# Altium PCB RUMBA32.PcbDoc (part 3 of 3) (continued)
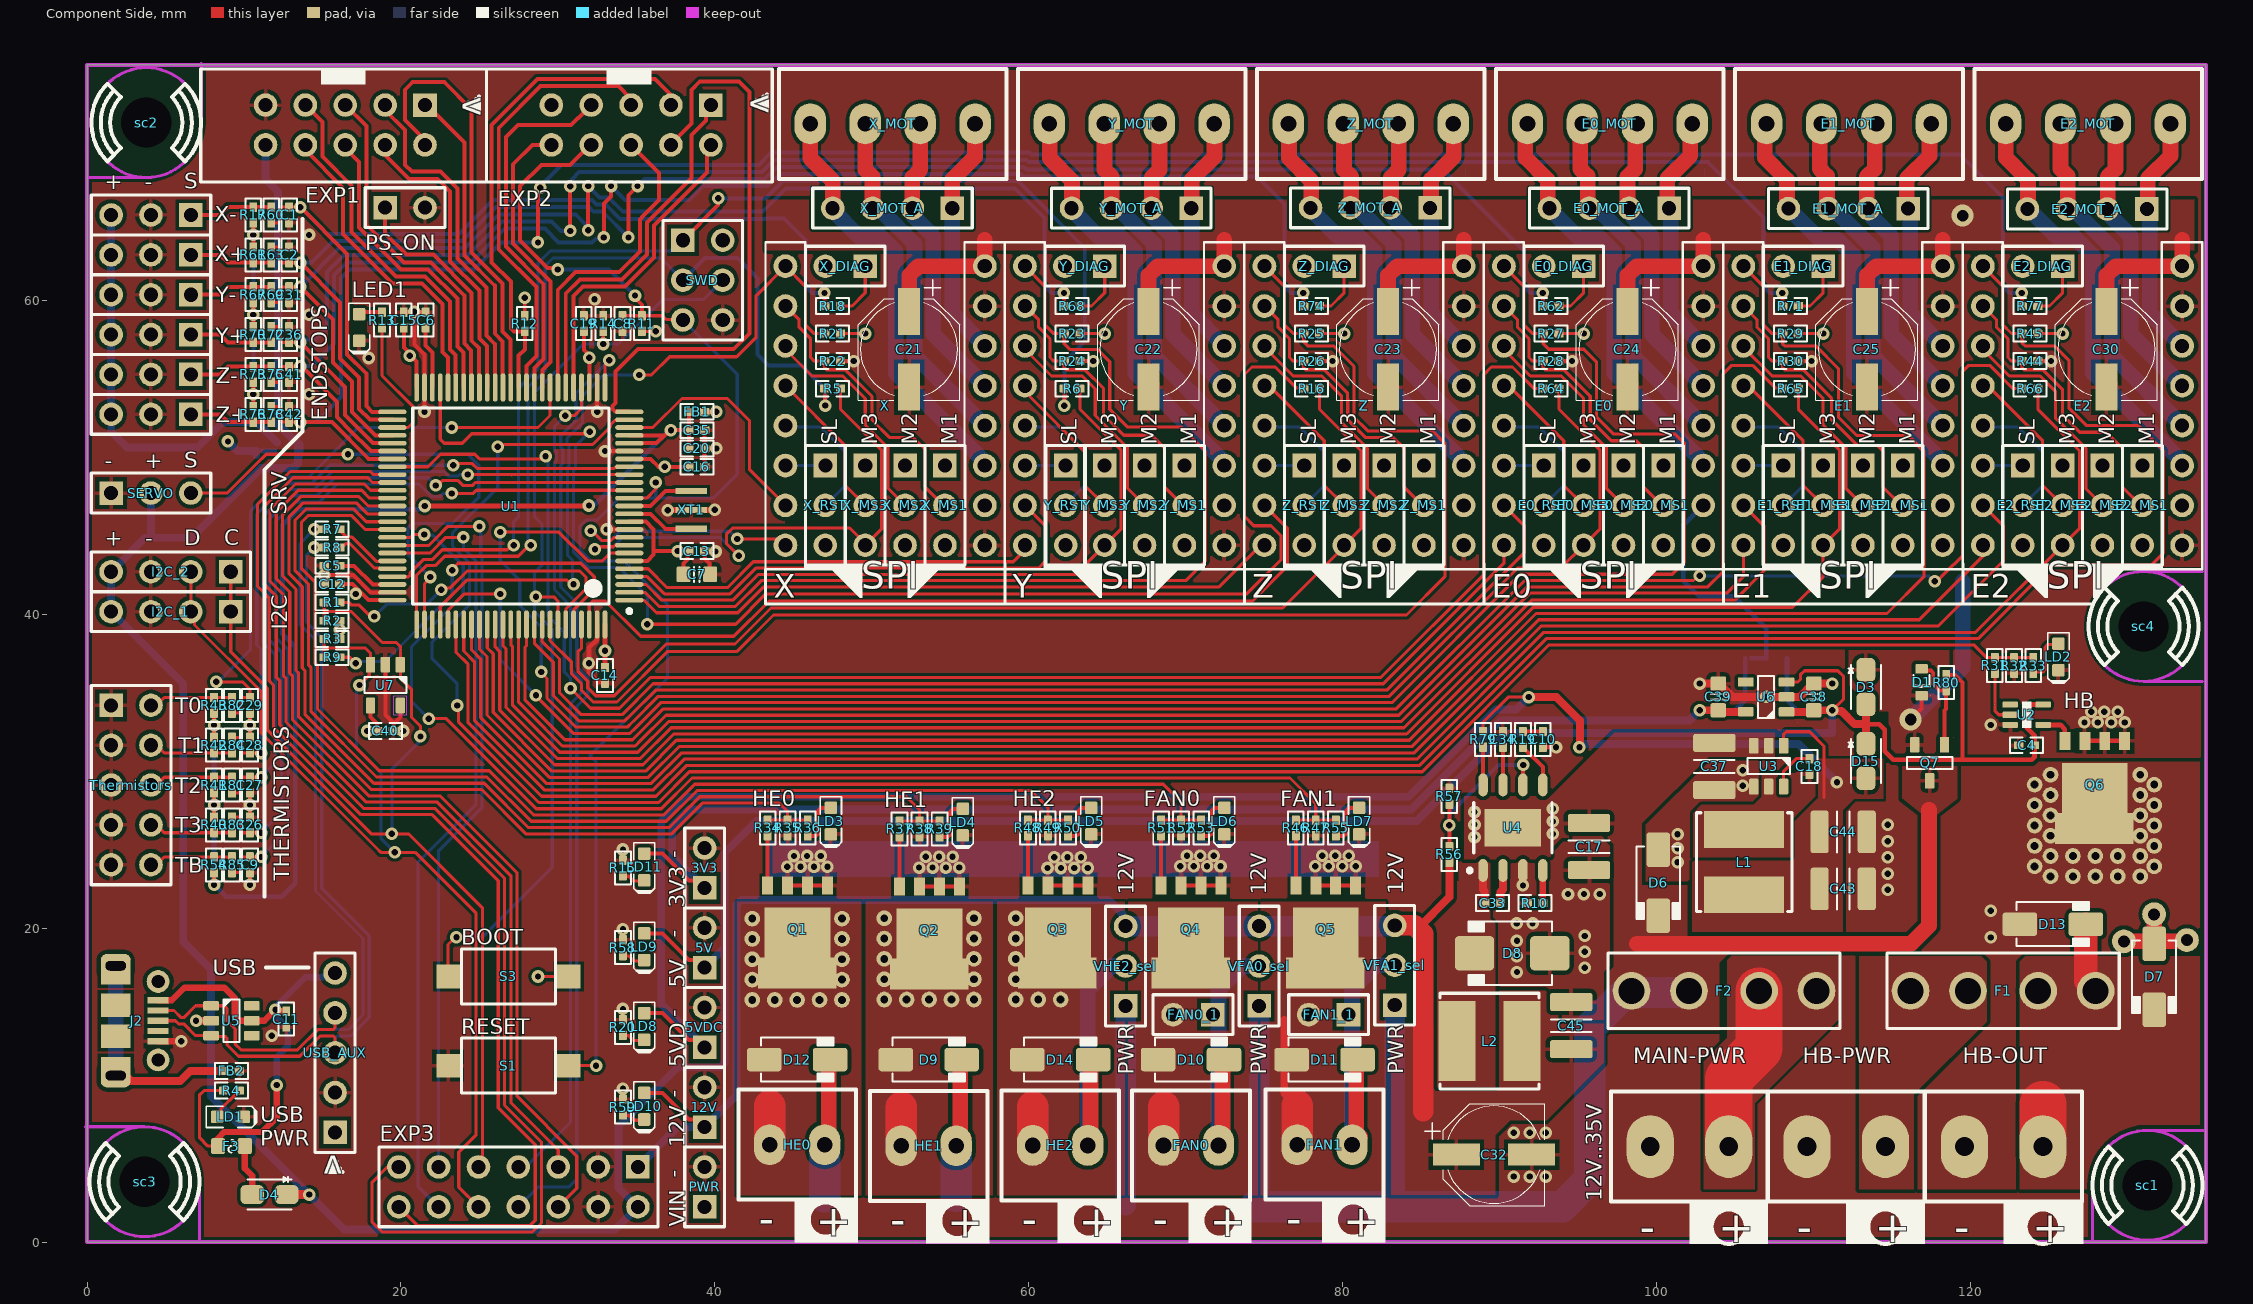
[diagram p0: Component Side view]
## Nets (pads, with @x,y where several pads share a name; then routed paths per layer and width w, separated by ;. In a path a pad name is that pad's centre, name@x,y a point inside that pad or via, vN(x,y) a via of type N, cw(c..) or ccw(c..) an arc to the next point about the centre after c; other vN are vias at no path point) (continued)
  Solder Side w0.254: v1(13.584,55.803) 14.294,55.803 15.74,57.248 15.74,61.615 16.545,62.42 24.458,62.42 26.613,64.576 29.165,64.576 30.046,63.695 32.185,63.695 32.413,63.924 32.836,63.924 v1(32.923,64.011) ; v1(33.384,67.281) 34.272,66.392 38.354,66.392 39.233,67.272 43.366,67.272 44.142,68.048 59.492,68.048 59.663,67.876 74.546,67.876 76.291,66.131 76.291,60.906 76.716,60.481 77.489,60.481 v1(77.497,60.473)
Z-S\L\P\: Z.6 Z_RST.1 | length 2.5
  Solder Side w0.2: Z.6@75.016,49.476 Z_RST.1@77.556,49.476
Z-STEP: U1.98 Z.7 | length 53.1
  Component Side w0.2: U1.98@31.999,39.346 31.999,40.63 32.214,40.845 33.019,40.845 35.268,38.596 41.209,38.596 43.459,40.846 74.26,40.846 76.471,43.056 76.471,45.481 Z.7@75.016,46.936
Z-TX: R16.2 U1.47 | length 89
  Component Side w0.2: U1.47@22.499,54.446 22.499,51.156 22.759,50.896 23.906,50.896 24.506,51.496 31.902,51.496 v1(32.026,51.62) ; v1(35.699,39.365) 41.319,39.365 43.25,41.296 73.892,41.296 76.071,43.475 76.071,45.007 75.436,45.642 74.336,45.642 73.746,46.232 73.746,55.276 74.224,55.755 75.707,55.755 77.039,54.423 77.476,54.423 R16.2@77.522,54.376
  Solder Side w0.2: v1(32.026,51.62) 31.112,50.706 31.112,49.276 30.999,49.163 30.999,43.941 31.974,42.966 33.906,42.966 34.976,41.896 35.699,41.173 v1(35.699,39.365)
pads on no net: C1.0 C2.0 C4.0 C5.0 C6.0 C7.0 C8.0 C9.0 C10.0 C11.0 C12.0 C13.0 C14.0 C15.0 C16.0 C17.0 C18.0 C19.0 C20.0 C26.0 C27.0 C28.0 C29.0 C31.0 C33.0 C34.0 C35.0 C36.0 C37.0 C38.0 C39.0 C40.0 C41.0 C42.0 C43.0 C44.0 C45.0 D1.0 D6.0 D7.0 D8.0 D9.0 D10.0 D11.0 D12.0 D13.0 D14.0 E0_DIAG.2 E1_DIAG.2 E2_DIAG.2 F3.0 FB1.0 FB2.0 J1.SM J2.4 J2.5 J2.6 J2.7 J2.ID J3.SM LD1.0 LD2.0 LD3.0 LD4.0 LD5.0 LD6.0 LD7.0 LD8.0 LD9.0 LD10.0 LD11.0 LED1.0 Q7.0 R1.0 R2.0 R3.0 R4.0 R5.0 R6.0 R7.0 R8.0 R9.0 R10.0 R11.0 R12.0 R13.0 R14.0 R15.0 R16.0 R17.0 R18.0 R19.0 R20.0 R21.0 R22.0 R23.0 R24.0 R25.0 R26.0 R27.0 R28.0 R29.0 R30.0 R31.0 R32.0 R33.0 R34.0 R35.0 R36.0 R37.0 R38.0 R39.0 R40.0 R41.0 R42.0 R43.0 R44.0 R45.0 R46.0 R47.0 R48.0 R49.0 R50.0 R51.0 R52.0 R53.0 R54.0 R55.0 R56.0 R57.0 R58.0 R59.0 R60.0 R61.0 R62.0 R63.0 R64.0 R65.0 R66.0 R67.0 R68.0 R69.0 R70.0 R71.0 R72.0 R73.0 R74.0 R75.0 R76.0 R77.0 R78.0 R79.0 R80.0 R81.0 R82.0 R83.0 R84.0 R85.0 sc1.0 sc2.0 sc3.0 sc4.0 U1.78 U2.0 U2.1 U3.0 U5.0 U5.4 U5.6 U6.0 U6.4 U7.0 X_DIAG.2 Y_DIAG.2 Z_DIAG.2
copper on no net: | length 0
  Component Side w0.2: 21.999,39.346 22.007,39.338

## Polygon pours and split planes (outlines as drawn)
VIN1 on Solder Side "VIN1_L04_P1146" (solid, pour order 1146): 103.732,13.896 103.732,17.896 97.232,17.896 93.732,14.396 93.732,3.896 93.232,3.396 37.732,3.396 37.732,0 96.732,0 96.732,12.396 98.232,13.896
VMOT on Solder Side "VMOT_L04_P1147" (solid, pour order 1147): 118.486,40.84 119.503,39.646 120.518,40.84 120.518,66.398 118.486,66.398
NetD11_A on Solder Side "NETD11_A_L04_P1154" (solid, remove dead copper, pour order 1154): 83.011,3.2 74.858,3.2 74.858,21.471 83.011,21.471
NetD10_A on Solder Side "NETD10_A_L04_P1159" (solid, remove dead copper, pour order 1159): 74.502,3.2 66.349,3.2 66.349,21.471 74.502,21.471
VIN1 on Solder Side "VIN1_L04_P1163" (solid, remove dead copper, pour order 1163): 86.8,23 86.8,30.9 94.4,30.9 94.4,23.358 94.042,23
NetD13_A on Solder Side "NETD13_A_L04_P1166" (solid, remove dead copper, pour order 1166): 135,30.481 135,0 117.6,0 117.6,25.403 122.678,30.481
NetD14_A on Solder Side "NETD14_A_L04_P1169" (solid, remove dead copper, pour order 1169): 66.171,3.2 58.017,3.2 58.017,21.471 66.171,21.471
NetD9_A on Solder Side "NETD9_A_L04_P1178" (solid, pour order 1178): 57.763,3.3 49.534,3.3 49.534,21.471 57.763,21.471
NetD12_A on Solder Side "NETD12_A_L04_P1191" (solid, pour order 1191): 49.331,3.1 41.431,3.1 41.431,21.445 49.331,21.445
GND on Solder Side "GND_L04_P1192" (solid, remove dead copper, pour order 1192): 0,75 135,75 135,0 0,0
VMOT on Component Side "VMOT_L01_P1148" (solid, pour order 1148): 118.639,31.043 118.639,37.742 112.245,37.742 112.245,35.507 113.942,33.809 114.779,33.809 114.779,31.043
VMOT on Component Side "VMOT_L01_P1149" (solid, pour order 1149): 43.274,66.396 43.274,63.203 134.274,63.203 134.274,66.396
NetC18_1 on Component Side "NETC18_1_L01_P1150" (solid, pour order 1150): 102.849,27.861 106.188,27.861 106.704,28.377 106.704,29.867 107.567,29.867 108.837,29.867 109.236,30.266 110.115,30.266 110.115,28.404 108.594,26.883 108.594,24.508 102.323,24.508 102.323,27.335
5V_DCDC on Component Side "5V_DCDC_L01_P1151" (solid, remove dead copper, pour order 1151): 102.281,19.776 111.872,19.776 111.872,27.513 112.601,28.242 114.445,28.242 114.445,30.782 102.281,30.782
VIN1 on Component Side "VIN1_L01_P1152" (solid, pour order 1152): 115.647,30.956 119.147,30.956 119.147,28.257 117.397,26.883 115.647,28.261
VIN2 on Component Side "VIN2_L01_P1153" (solid, remove dead copper, pour order 1153): 123.15,17.85 123.15,3.374 129.048,3.374 129,4 130.89,7.112 130.89,7.239 132.668,7.239 134.065,5.842 134.192,5.715 135,5.715 135,18.2 123.5,18.2
NetF1_0 on Component Side "NETF1_0_L01_P1155" (solid, pour order 1155): 112.9,3.374 112.9,18.2 120.7,18.2 121.026,17.874 121.026,14.026 116.4,9.4 116.4,3.374
VIN1 on Component Side "VIN1_L01_P1156" (solid, pour order 1156): 87.732,24.396 87.732,28.396 93.25,28.396 97.29,32.436 107.546,32.436 107.546,30.932 105.521,30.932 103.313,30.932 99.06,26.678 99.06,22.74 101.952,22.74 101.952,18.7 104.9,18.7 104,17.8 104,13.5 96.9,13.5 96.9,17.15 97.277,17.527 97.277,25.346 96.874,25.75 93.95,25.75 93.25,25.05 93.25,24.396
NetC33_2 on Component Side "NETC33_2_L01_P1157" (solid, remove dead copper, pour order 1157): 85.785,9.852 89.715,9.852 89.715,20.285 89.4,20.6 89.4,24.75 87.4,24.75 87.4,23 85.785,23
NetF2_1 on Component Side "NETF2_1_L01_P1158" (solid, pour order 1158): 103,3.374 103,11.5 104.5,13 104.5,18.3 111.6,18.3 111.6,14.2 106.25,8.85 106.25,3.374
NetD13_A on Component Side "NETD13_A_L01_P1160" (solid, remove dead copper, pour order 1160): 134.962,30.6 134.85,15.621 128.873,15.621 128.604,16.313 123.397,16.313 123.397,3.374 116.626,3.374 116.611,9.289 116.611,28.932 118.279,30.6
NetD12_A on Component Side "NETD12_A_L01_P1161" (solid, pour order 1161): 49.331,2.994 41.431,2.994 41.431,21.67 49.331,21.67
NetD9_A on Component Side "NETD9_A_L01_P1162" (solid, pour order 1162): 57.713,2.994 49.6,2.994 49.6,21.67 57.713,21.67
NetD14_A on Component Side "NETD14_A_L01_P1164" (solid, pour order 1164): 66.12,2.994 58,2.994 58,21.67 66.12,21.67
NetD10_A on Component Side "NETD10_A_L01_P1165" (solid, pour order 1165): 74.578,2.994 66.272,2.994 66.272,21.67 74.578,21.67
NetD11_A on Component Side "NETD11_A_L01_P1167" (solid, pour order 1167): 82.732,2.994 74.68,2.994 74.68,21.675 82.732,21.675
GND on Component Side "GND_L01_P1168" (solid, pour order 1168): 47.73,22.741 47.73,24.392 47.07,25.052 44.606,25.052 44.682,25.052 44.098,24.468 44.098,24.392 44.098,22.741
GND on Component Side "GND_L01_P1170" (solid, pour order 1170): 56.138,22.69 56.138,24.341 55.477,25.001 53.014,25.001 53.09,25.001 52.506,24.417 52.506,24.341 52.506,22.69
GND on Component Side "GND_L01_P1171" (solid, pour order 1171): 64.317,22.664 64.317,24.315 63.656,24.976 61.192,24.976 61.269,24.976 60.684,24.392 60.684,24.315 60.684,22.664
GND on Component Side "GND_L01_P1172" (solid, pour order 1172): 72.775,22.766 72.775,24.417 72.114,25.077 69.651,25.077 69.727,25.077 69.143,24.493 69.143,24.417 69.143,22.766
GND on Component Side "GND_L01_P1173" (solid, pour order 1173): 81.385,22.766 81.385,24.417 80.725,25.077 78.261,25.077 78.337,25.077 77.753,24.493 77.753,24.417 77.753,22.766
+12V on Component Side "Component Side-+12V" (solid, pour order 1174): 83.1,13.741 83.1,3 89.715,3 89.715,6.808 90.672,7.765 92.995,7.765 96.642,11.412 96.642,13.896 93.732,13.896 93.732,16 89.715,16 89.715,13.741
GND on Component Side "GND_L01_P1175" (solid, remove dead copper, pour order 1175): -0.001,74.785 135,74.785 135,27.408 122.635,15.978 130.1,0 119.841,0 -0.222,-0.09
GND on Power Plane "Power Plane-VMOT 5" (solid, remove dead copper, pour order 1179): 43.111,75 43.111,40.205 134.923,40.205 134.923,75
NetD12_A on Power Plane "NETD12_A_L03_P1180" (solid, pour order 1180): 49.331,0 41.431,0 41.431,40.646 49.331,40.646
NetD9_A on Power Plane "NETD9_A_L03_P1181" (solid, pour order 1181): 57.713,-0.076 49.144,-0.076 49.144,40.646 57.713,40.646
NetD14_A on Power Plane "NETD14_A_L03_P1182" (solid, pour order 1182): 66.095,-0.051 57.526,-0.051 57.526,40.646 66.095,40.646
NetD10_A on Power Plane "NETD10_A_L03_P1183" (solid, pour order 1183): 74.426,-0.051 65.858,-0.051 65.858,40.646 74.426,40.646
NetD11_A on Power Plane "NETD11_A_L03_P1184" (solid, pour order 1184): 82.935,0 74.367,0 74.367,40.646 82.935,40.646
VIN2 on Power Plane "VIN2_L03_P1185" (solid, remove dead copper, pour order 1185): 122.243,18.2 122.243,3.374 129.048,3.374 129,4 130.89,7.112 130.89,7.239 132.668,7.239 134.065,5.842 134.192,5.715 135,5.715 135,18.2
NetF1_0 on Power Plane "NETF1_0_L03_P1186" (solid, pour order 1186): 112.9,3.374 112.9,10.816 114.603,12.519 114.603,18.2 121.665,18.2 121.665,14.665 116.4,9.4 116.4,3.374
NetF2_1 on Power Plane "NETF2_1_L03_P1187" (solid, pour order 1187): 103,3.374 103,11.5 104.5,13 104.5,18.3 111.6,18.3 111.6,14.2 106.25,8.85 106.25,3.374
+3V3 on Power Plane "+3V3_L03_P1188" (solid, remove dead copper, pour order 1188): -0.001,74.785 41.302,74.785 41.302,-0.059 -0.222,-0.09
GND on Power Plane "Power Plane-GND" (solid, remove dead copper, pour order 1190): 135.05,-0.054 135.05,40.713 83.107,40.713 82.98,40.84 82.472,40.332 82.472,0.073
no net on Top Overlay (solid): 127.825,41.065 128.009,41.065 130.07,43.126 127.825,43.126
no net on Top Overlay (solid): 95.178,41.065 94.995,41.065 92.933,43.126 95.178,43.126
no net on Top Overlay (solid): 113.329,41.065 113.512,41.065 115.573,43.126 113.329,43.126
no net on Top Overlay (solid): 124.933,41.065 124.749,41.065 122.688,43.126 124.933,43.126
no net on Top Overlay (solid): 82.812,41.065 82.996,41.065 85.057,43.126 82.812,43.126
no net on Top Overlay (solid): 110.436,41.065 110.253,41.065 108.192,43.126 110.436,43.126
no net on Top Overlay (solid): 67.554,41.065 67.737,41.065 69.798,43.126 67.554,43.126
no net on Top Overlay (solid): 49.403,41.065 49.219,41.065 47.158,43.126 49.403,43.126
no net on Top Overlay (solid): 79.92,41.065 79.736,41.065 77.675,43.126 79.92,43.126
no net on Top Overlay (solid): 98.07,41.065 98.254,41.065 100.315,43.126 98.07,43.126
no net on Top Overlay (solid): 64.661,41.065 64.478,41.065 62.417,43.126 64.661,43.126
no net on Top Overlay (solid): 52.295,41.065 52.479,41.065 54.54,43.126 52.295,43.126
GND on Ground Plane "GND_L02_P1189" (solid, remove dead copper, pour order 1189): -0.001,74.785 135,74.785 135,27.408 135,0 119.841,0 -0.222,-0.09

## Keep-outs
Component Side:
  rectangle: 122.358,64.549 132.518,67.089
  rectangle: 107.133,64.574 117.293,67.114
  rectangle: 91.909,64.6 102.069,67.14
  rectangle: 76.684,64.625 86.844,67.165
  rectangle: 61.46,64.6 71.62,67.14
  rectangle: 46.236,64.6 56.396,67.14
  region: 19.522,34.767 19.522,33.581 20.378,33.581 20.378,34.767
Power Plane:
  rectangle: 122.332,64.549 132.492,67.089
  rectangle: 107.108,64.574 117.268,67.114
  rectangle: 91.883,64.6 102.043,67.14
  rectangle: 76.659,64.625 86.819,67.165
  rectangle: 46.21,64.6 56.37,67.14
  rectangle: 61.46,64.6 71.62,67.14
Solder Side:
  circle w0.2: c118.232,44.396 r0.7
  circle w0.2: c120.772,44.396 r0.7
  circle w0.2: c118.232,46.936 r0.7
  circle w0.2: c120.772,46.936 r0.7
  circle w0.2: c118.232,49.476 r0.7
  circle w0.2: c120.772,49.476 r0.7
  circle w0.2: c118.232,52.016 r0.7
  circle w0.2: c120.772,52.016 r0.7
  circle w0.2: c118.232,54.556 r0.7
  circle w0.2: c120.772,54.556 r0.7
  circle w0.2: c118.232,57.096 r0.7
  circle w0.2: c120.772,57.096 r0.7
  circle w0.2: c118.232,59.636 r0.7
  circle w0.2: c120.772,59.636 r0.7
  circle w0.2: c120.772,62.176 r0.7
  circle w0.2: c118.232,62.176 r0.7
Keep-Out Layer:
  circle w0.2: c3.773,71.325 r3.5
  circle w0.2: c3.665,3.843 r3.5
  circle w0.2: c131.275,3.614 r3.5
  circle w0.2: c131.021,39.225 r3.5
  lines w0.2: -0.083,7.343 3.665,7.343 ; 0.025,67.825 3.773,67.825 ; 7.165,0.095 7.165,3.843 ; 7.273,71.325 7.273,75.073 ; 127.775,0 127.775,3.614 ; 131.021,35.725 134.769,35.725 ; 131.021,42.725 134.769,42.725 ; 131.275,7.114 135.023,7.114
  lines w0.254: 0,0 135,0 135,75 0,75 0,0

## Other copper
Component Side:
  pour cut-out: 104.5,13 104.5,17.75 104,17.75 104,12.5
Solder Side:
  rectangle net +3V3: 11.063,50.25 12.111,50.55
  rectangle net +3V3: 105.933,37.046 106.981,37.346
  rectangle net GND: 43.235,23.246 82.325,25.56

## Silkscreen, mask and mechanical layers (free items; w line width, h text height)
Top Overlay:
  drawing of 72 lines, arcs and shapes, not listed
  text "v" at 42.273,73.134 h1.52 r270
  text "v" at 23.934,72.982 h1.52 r270
  text "S" at 6.205,67.114 h1
  text "+" at 1.125,67.089 h1
  text "-" at 3.691,67.089 h1
  text "ENDSTOPS" at 15.302,52.316 h1 r90
  text "SL" at 47.801,50.811 h1 r90
  text "M3" at 50.341,50.811 h1 r90
  text "M2" at 52.881,50.811 h1 r90
  text "M1" at 55.421,50.811 h1 r90
  text "SL" at 63.059,50.811 h1 r90
  text "M3" at 65.599,50.811 h1 r90
  text "M2" at 68.139,50.811 h1 r90
  text "M1" at 70.679,50.811 h1 r90
  text "SL" at 78.318,50.811 h1 r90
  text "M3" at 80.858,50.811 h1 r90
  text "M2" at 83.398,50.811 h1 r90
  text "M1" at 85.938,50.811 h1 r90
  text "SL" at 93.576,50.811 h1 r90
  text "M3" at 96.116,50.811 h1 r90
  text "M2" at 98.656,50.811 h1 r90
  text "M1" at 101.196,50.811 h1 r90
  text "SL" at 108.834,50.811 h1 r90
  text "M3" at 111.374,50.811 h1 r90
  text "M2" at 113.914,50.811 h1 r90
  text "M1" at 116.454,50.811 h1 r90
  text "SL" at 124.093,50.811 h1 r90
  text "M3" at 126.633,50.811 h1 r90
  text "M2" at 129.173,50.811 h1 r90
  text "M1" at 131.713,50.811 h1 r90
  text "S" at 6.205,49.334 h1
  text "-" at 1.125,49.309 h1
  text "+" at 3.691,49.309 h1
  text "SRV" at 12.708,46.338 h1 r90
  text "D" at 6.206,44.381 h1
  text "C" at 8.746,44.381 h1
  text "+" at 1.126,44.356 h1
  text "-" at 3.691,44.356 h1
  text "SPI" at 49.34,41.065 h3
  text "SPI" at 64.598,41.065 h3
  text "SPI" at 79.856,41.065 h3
  text "SPI" at 95.115,41.065 h3
  text "SPI" at 110.373,41.065 h3
  text "SPI" at 124.869,41.065 h3
  text "X" at 43.737,41.046 h1.5
  text "Y" at 58.995,41.046 h1.5
  text "Z" at 74.254,41.046 h1.5
  text "E0" at 89.512,41.046 h1.5
  text "E1" at 104.77,41.046 h1.5
  text "E2" at 120.029,41.046 h1.5
  text "I2C" at 12.769,39.006 h1 r90
  text "HB" at 125.933,33.996 h1
  text "T0" at 5.632,33.688 h1
  text "T1" at 5.799,31.148 h1
  text "T2" at 5.632,28.608 h1
  text "HE0" at 42.384,27.752 h1
  text "HE2" at 58.969,27.752 h1
  text "FAN0" at 67.328,27.752 h1
  text "FAN1" at 76.036,27.752 h1
  text "HE1" at 50.788,27.689 h1
  text "T3" at 5.632,26.068 h1
  text "-" at 37.824,24.468 h1 r90
  text "TB" at 5.632,23.528 h1
  text "THERMISTORS" at 12.892,23.02 h1 r90
  text "12V" at 83.849,22.156 h1 r90
  text "12V" at 66.704,22.131 h1 r90
  text "12V" at 75.137,22.131 h1 r90
  text "3V3" at 38.078,21.293 h1 r90
  text "-" at 37.824,19.388 h1 r90
  text "BOOT" at 23.85,18.955 h1
  text "USB" at 8,17 h1
  text "5V" at 38.078,16.213 h1 r90
  text "-" at 37.824,14.308 h1 r90
  text "RESET" at 23.85,13.253 h1
  text "5VD" at 38.078,11.133 h1 r90
  text "PWR" at 83.849,10.701 h1 r90
  text "PWR" at 66.704,10.65 h1 r90
  text "PWR" at 75.137,10.65 h1 r90
  text "-" at 37.824,9.188 h1 r90
  text "USB / PWR" at 11.044,6.139 h1
  text "12V" at 38.078,6.053 h1 r90
  text "v" at 16.281,5.51 h1.52 r180
  text "-" at 37.824,4.108 h1 r90
  text "12V..35V" at 96.5,2.6 h1 r90
  text "VIN" at 38.078,0.973 h1 r90
  text "-" at 42.796,0.541 h2
  text "-" at 76.4,0.541 h2
  text "-" at 59.56,0.49 h2
  text "-" at 67.891,0.49 h2
  text "-" at 51.178,0.465 h2
  text "+" at 46.428,0.414 h2
  text "+" at 80.033,0.414 h2
  text "+" at 63.192,0.363 h2
  text "+" at 71.524,0.363 h2
  text "+" at 54.81,0.338 h2
  text "-" at 98.939,-0.013 h2
  text "+" at 103.919,-0.013 h2
  text "-" at 108.921,-0.013 h2
  text "+" at 113.901,-0.013 h2
  text "-" at 118.954,-0.013 h2
  text "+" at 123.934,-0.013 h2
Bottom Overlay:
  lines w0.203: 56.396,26.525 80.602,26.525 ; 56.624,41.486 80.602,41.486
  text "3V" at 9.965,49.646 h1
  text "5V" at 17.221,49.646 h1
  text "ENDSTOP / VOLTAGE" at 15.7,46.033 h1
  text "BOARD MODEL" at 80.576,39.759 h1.02
  text "V1.1B" at 60.304,37.798 h1.07
  text "RUMBA32" at 80.449,37.803 h1.4
  text "....................................................." at 80.449,36.99 h0.55 r180
  text "3V" at 104.835,36.442 h1
  text "5V" at 112.09,36.442 h1
  text "OPEN SOURCE" at 80.5,34.933 h1.07
  text "3D PRINTER ELECTRONICS" at 80.5,33.307 h1.02
  text "....................................................." at 80.449,32.494 h0.55 r180
  text "STEPPER / DRIVER / LOGIC" at 110.569,31.02 h1
  text "WWW.AUS3D.COM.AU" at 80.5,30.513 h1.02
  text "....................................................." at 80.449,29.649 h0.55 r180
  text "DESIGNED IN AUSTRALIA" at 80.5,27.465 h1.02
Top Solder:
  text "A" at 47.756,38.146 h1.8
  text "RUMBA32" at 57.924,36.996 h3.6
  text "V1.1B" at 73.589,36.99 h1.5
Mechanical 4:
  the board outline again, w0.254
Mechanical 16:
  drawing of 649 lines, arcs and shapes, not listed
  text "DRV" at 56.847,108.622 h1.2
  text "X" at 65.347,107.622 h1.2
  text "Y" at 77.347,107.622 h1.2
  text "Z" at 89.347,107.622 h1.2
  text "E0" at 101.347,107.622 h1.2
  text "E1" at 113.347,107.622 h1.2
  text "E2" at 125.347,107.622 h1.2
  text "PIN" at 50.347,106.622 h1.2
  text "STEPPER  MOTOR PINOUT" at 145.5,106.536 h1.2
  text "ENABLE" at 53.347,102.622 h1.2
  text "PC11" at 65.347,102.622 h1.2
  text "PE3" at 77.347,102.622 h1.2
  text "PB7" at 89.347,102.622 h1.2
  text "PC12" at 101.347,102.622 h1.2
  text "PD4" at 113.347,102.622 h1.2
  text "PD0" at 125.347,102.622 h1.2
  text "1B" at 145.5,102.622 h1.2
  text "1A" at 155.5,102.622 h1.2
  text "2A" at 165.5,102.622 h1.2
  text "2B" at 175.5,102.622 h1.2
  text "PS_ON" at 37.701,102.5 h1.2
  text "EXP1" at 13.001,102.4 h1.2
  text "GND" at 1.401,98.4 h1.2
  text "PE14" at 6.901,98.4 h1.2
  text "PE12" at 12.901,98.4 h1.2
  text "PE9" at 19.401,98.4 h1.2
  text "PE8" at 25.401,98.4 h1.2
  text "GND" at 35.901,98.4 h1.2
  text "PE11" at 41.601,98.4 h1.2
  text "DIRECTION" at 51.748,97.622 h1.2
  text "PC15" at 65.347,97.622 h1.2
  text "PE6" at 77.347,97.622 h1.2
  text "PE2" at 89.347,97.622 h1.2
  text "PB6" at 101.347,97.622 h1.2
  text "PD7" at 113.347,97.622 h1.2
  text "PD3" at 125.347,97.622 h1.2
  text "STEPPER DRIVER SOCKET PINOUT" at 138.5,96.549 h1.2
  text "RIGHT" at 180.048,94.299 h1.2
  text "LEFT" at 138.5,94.049 h1.2
  text "+5V" at 1.401,93.4 h1.2
  text "PE15" at 6.901,93.4 h1.2
  text "PE13" at 12.901,93.4 h1.2
  text "PE10" at 18.901,93.4 h1.2
  text "PE7" at 25.401,93.4 h1.2
  text "SWD" at 38.901,92.9 h1.2
  text "STEP" at 53.347,92.622 h1.2
  text "PA0" at 65.347,92.622 h1.2
  text "PE5" at 77.347,92.622 h1.2
  text "PE1" at 89.347,92.622 h1.2
  text "PB5" at 101.347,92.622 h1.2
  text "PD6" at 113.347,92.622 h1.2
  text "PD2" at 125.347,92.622 h1.2
  text "TRADITIONAL" at 138.048,91.622 h1.2
  text "SPI" at 152.048,91.622 h1.2
  text "UART" at 166.048,91.622 h1.2
  text "+3V3" at 41.301,88.9 h1.2
  text "EXP2" at 12.801,87.9 h1.2
  text "PA13 / SWDIO" at 34.547,87.622 h1.2
  text "ENABLE" at 140.847,87.622 h1.2
  text "ENABLE" at 154.847,87.622 h1.2
  text "ENABLE" at 168.847,87.622 h1.2
  text "VMOT" at 182.847,87.622 h1.2
  text "SPI_CS / UART_RX" at 52.747,87.422 h1.2
  text "PC14" at 64.747,87.422 h1.2
  text "PE4" at 76.747,87.422 h1.2
  text "PE0" at 88.747,87.422 h1.2
  text "PC13" at 100.747,87.422 h1.2
  text "PD5" at 112.747,87.422 h1.2
  text "PD1" at 124.747,87.422 h1.2
  text "GND" at 1.401,83.9 h1.2
  text "PB0" at 7.401,83.9 h1.2
  text "PB1" at 13.6,83.9 h1.2
  text "PB2" at 19.401,83.9 h1.2
  text "BT0" at 41.901,83.9 h1.2
  text "PA6 / MISO" at 24.647,82.622 h1.2
  text "PA14 / SWCLK" at 34.447,82.622 h1.2
  text "UART_TX" at 52.747,82.622 h1.2
  text "PA14" at 64.747,82.622 h1.2
  text "PA13" at 76.747,82.622 h1.2
  text "PB10" at 88.747,82.622 h1.2
  text "PD11" at 100.747,82.622 h1.2
  text "PB3" at 112.747,82.622 h1.2
  text "PB4" at 124.747,82.622 h1.2
  text "MS1" at 139.947,82.622 h1.2
  text "SPI-MOSI" at 153.947,82.622 h1.2
  text "GND" at 182.847,82.622 h1.2
  text "PC5" at 1.401,78.9 h1.2
  text "RST" at 7.401,78.9 h1.2
  text "PA2" at 19.401,78.9 h1.2
  text "RST" at 35.901,78.9 h1.2
  text "GND" at 41.901,78.9 h1.2
  text "PA7 / MOSI" at 12.747,77.622 h1.2
  text "PA5 / SCK" at 25.147,77.622 h1.2
  text "DIAG" at 52.747,77.622 h1.2
  text "PB12 / (X-MIN)" at 64.747,77.622 h1.2
  text "PB15 / (Y-MIN)" at 76.747,77.622 h1.2
  text "PD9 / (Z-MIN)" at 88.747,77.622 h1.2
  text "PB13 / (X-MAX)" at 100.747,77.622 h1.2
  text "PD8 / (Y-MAX)" at 112.747,77.622 h1.2
  text "PD10 / (Z-MAX)" at 124.747,77.622 h1.2
  text "2B" at 182.847,77.622 h1.2
  text "MS2" at 140.347,77.522 h1.2
  text "SPI-SCK" at 154.347,77.522 h1.2
  text "ENDSTOPS" at -15.599,75.9 h1.2
  text "X-MIN" at -26.699,72.9 h1.2
  text "VSTP" at -19.199,72.9 h1.2
  text "GND" at -12.599,72.9 h1.2
  text "PB12" at -7.099,72.9 h1.2
  text "MS3" at 138.5,71.597 h1.2
  text "SPI-CS" at 152.5,71.597 h1.2
  text "UART RX / & TX (1K)" at 166.5,71.597 h1.2
  text "2A" at 180.5,71.597 h1.2
  text "X-MAX" at -26.799,69.9 h1.2
  text "VSTP" at -19.199,69.9 h1.2
  text "GND" at -12.599,69.9 h1.2
  text "PB13" at -7.099,69.9 h1.2
  text "1A" at 182.847,67.622 h1.2
  text "RESET" at 139.847,67.422 h1.2
  text "SPI-MISO" at 153.847,67.422 h1.2
  text "Y-MIN" at -26.699,66.9 h1.2
  text "VSTP" at -19.199,66.9 h1.2
  text "GND" at -12.599,66.9 h1.2
  text "PB15" at -7.099,66.9 h1.2
  text "Y-MAX" at -26.799,63.9 h1.2
  text "VSTP" at -19.199,63.9 h1.2
  text "GND" at -12.599,63.9 h1.2
  text "PD8" at -6.599,63.9 h1.2
  text "SLEEP" at 140.247,62.622 h1.2
  text "1B" at 182.847,62.622 h1.2
  text "Z-MIN" at -26.699,60.9 h1.2
  text "VSTP" at -19.199,60.9 h1.2
  text "GND" at -12.599,60.9 h1.2
  text "PD9" at -6.599,60.9 h1.2
  text "Z-MAX" at -26.799,57.9 h1.2
  text "VSTP" at -19.199,57.9 h1.2
  text "GND" at -12.599,57.9 h1.2
  text "PD10" at -7.099,57.9 h1.2
  text "STEP" at 140.247,57.622 h1.2
  text "STEP" at 154.247,57.622 h1.2
  text "STEP" at 168.247,57.622 h1.2
  text "VIO" at 182.247,57.622 h1.2
  text "VSTP = 3.3V by default" at -26.996,55.1 h1.2
  text "DIRECTION" at 139.248,52.622 h1.2
  text "DIRECTION" at 153.248,52.622 h1.2
  text "DIRECTION" at 167.248,52.622 h1.2
  text "GND" at 181.248,52.622 h1.2
  text "SERVO" at -13.799,50.9 h1.2
  text "GND" at -18.599,47.9 h1.2
  text "+5V" at -12.599,47.9 h1.2
  text "PA15" at -7.099,47.9 h1.2
  text "DIAG PINOUT" at 155.5,46.536 h1.2
  text "I2C" at -15.5,44.4 h1.2
  text "DIAG" at 165.5,42.622 h1.2
  text "+5V" at -24.599,41.4 h1.2
  text "GND" at -18.599,41.4 h1.2
  text "SDA" at -12.599,41.4 h1.2
  text "SCL" at -6.599,41.4 h1.2
  text "+5V" at -24.599,38.4 h1.2
  text "GND" at -18.599,38.4 h1.2
  text "SDA" at -12.599,38.4 h1.2
  text "SCL" at -6.599,38.4 h1.2
  text "STEPPER DRIVER JUMPERS" at 145.5,36.536 h1.2
  text "SLP" at 145.5,34.622 h1.2
  text "MS3" at 155.5,34.622 h1.2
  text "MS2" at 166,34.622 h1.2
  text "MS1" at 175.5,34.622 h1.2
  text "THERMISTOR" at -13.698,34.4 h1.2
  text "T0" at -17,31.4 h1.2
  text "GND" at -12.599,31.4 h1.2
  text "PC4" at -6.599,31.4 h1.2
  text "PWR" at -24.599,30.9 h1.2
  text "SLP" at 145.5,30.622 h1.2
  text "+3V3" at 155.5,30.622 h1.2
  text "+3V3" at 165.5,30.622 h1.2
  text "+3V3" at 175.5,30.622 h1.2
  text "T1" at -16.8,28.4 h1.2
  text "GND" at -12.599,28.4 h1.2
  text "PC3" at -6.599,28.4 h1.2
  text "GND" at -24.599,27.9 h1.2
  text "RST" at 145.5,25.622 h1.2
  text "MS3" at 155.5,25.622 h1.2
  text "MS2" at 165.5,25.622 h1.2
  text "MS1" at 175.5,25.622 h1.2
  text "T2" at -17,25.4 h1.2
  text "GND" at -12.599,25.4 h1.2
  text "PC2" at -6.599,25.4 h1.2
  text "+3V3" at -25.199,24.9 h1.2
  text "T3" at -17,22.4 h1.2
  text "GND" at -12.599,22.4 h1.2
  text "PC1" at -6.4,22.4 h1.2
  text "GND" at -24.599,21.9 h1.2
  text "SPI-MISO" at 145.5,20.622 h1.2
  text "SPI-CS / UART" at 155.5,20.622 h1.2
  text "SPI-SCK" at 165.5,20.622 h1.2
  text "SPI-MOSI" at 175.5,20.622 h1.2
  text "TB" at -17,19.4 h1.2
  text "GND" at -12.599,19.4 h1.2
  text "PC0" at -6.599,19.4 h1.2
  text "+5V" at -24.599,18.9 h1.2
  text "GND" at -24.599,15.9 h1.2
  text "USB" at -6.599,15.9 h1.2
  text "F2" at 102.065,15.146 h1
  text "F1" at 119.845,15.146 h1
  text "+5VDC" at -25.799,12.9 h1.2
  text "VBUS" at -7.199,12.9 h1.2
  text "GND" at -24.599,9.9 h1.2
  text "DN" at -6,9.9 h1.2
  text "+12V" at -25.099,6.9 h1.2
  text "DP" at -6,6.9 h1.2
  text "GND" at -24.599,3.9 h1.2
  text "GND" at -6.599,3.9 h1.2
  text "+VIN1" at -25.499,0.9 h1.2
  text "SHLD" at -7.199,0.9 h1.2
  text "EXP3" at 18.801,-2.6 h1.2
  text "HE0" at 48.901,-2.6 h1.2
  text "HE2" at 69.401,-2.6 h1.2
  text "JMP x3" at 84.101,-2.6 h1.2
  text "MAIN-PWR" at 97.501,-2.6 h1.2
  text "HB-PWR" at 112.101,-2.6 h1.2
  text "HB-OUT" at 125.601,-2.6 h1.2
  text "PA9" at 7.401,-5.6 h1.2
  text "PD13" at 0.901,-6.6 h1.2
  text "PA4" at 19.401,-6.6 h1.2
  text "PD14" at 24.901,-6.6 h1.2
  text "GND" at 31.401,-6.6 h1.2
  text "+12V" at 36.901,-6.6 h1.2
  text "+12V" at 85.401,-6.6 h1.2
  text "GND" at 97.401,-6.6 h1.2
  text "+VIN1" at 102.501,-6.6 h1.2
  text "GND" at 110.901,-6.6 h1.2
  text "+VIN2" at 115.801,-6.6 h1.2
  text "- / (PC6)" at 44.747,-7.451 h1.2
  text "- / (PC8)" at 59.247,-7.451 h1.2
  text "- / (PA1)" at 123.347,-7.451 h1.2
  text "U1TX" at 6.901,-7.6 h1.2
  text "+ / (VIN1)" at 50.347,-7.678 h1.2
  text "+ / (VIN2)" at 128.747,-7.678 h1.2
  text "PB8 / SCL" at 13.147,-7.878 h1.2
  text "+VIN1 or +12V / (per JMP)" at 65.5,-8.903 h1.2
  text "PA10" at 6.901,-10.6 h1.2
  text "HE1" at 49.1,-10.6 h1.2
  text "FAN0" at 68.801,-10.6 h1.2
  text "PD12" at 0.901,-11.6 h1.2
  text "PA3" at 19.401,-11.6 h1.2
  text "PD15" at 24.901,-11.6 h1.2
  text "GND" at 31.401,-11.6 h1.2
  text "+5V" at 37.401,-11.6 h1.2
  text "<-" at 86.5,-11.6 h1.2
  text "U1RX" at 6.901,-12.6 h1.2
  text "PB9 / SDA" at 13.147,-12.878 h1.2
  text "- / (PC7)" at 44.747,-15.451 h1.2
  text "- / (PC9)" at 59.247,-15.451 h1.2
  text "+ / (VIN1)" at 50.347,-15.678 h1.2
  text "+VIN1" at 85.001,-16.6 h1.2
  text "+VIN1 or +12V / (per JMP)" at 65.5,-16.903 h1.2
  text "FAN1" at 69.001,-18.6 h1.2
  text "- / (PA8)" at 59.247,-23.451 h1.2
  text "+VIN1 or +12V / (per JMP)" at 65.5,-24.903 h1.2

## Dimensions
131.021,39.225 to 3.773,71.325 on Mechanical 2
131.021,39.225 to 131.275,3.614 on Mechanical 2
3.773,71.325 to 131.021,39.225 on Mechanical 2
3.665,3.843 to 3.773,71.325 on Mechanical 2
0,75 to 135,75 on Mechanical 2
135,75 to 135,0 on Mechanical 2

## Text inside footprints (layer, text, board x,y; h text height)
E0: Mechanical 15 "Vmot" at 99.071,61.956 h0.6; Mechanical 15 "GND" at 99.471,59.388 h0.6; Mechanical 15 "2B" at 100.071,56.82 h0.6; Mechanical 15 "2A" at 100.071,54.253 h0.6; Mechanical 15 "1A" at 100.171,51.685 h0.6; Mechanical 15 "1B" at 100.171,49.117 h0.6; Mechanical 15 "VDD" at 99.471,46.549 h0.6; Mechanical 15 "GND" at 99.471,43.981 h0.6; Mechanical 15 "EN" at 92.052,61.866 h0.6; Mechanical 15 "MS1" at 92.052,59.326 h0.6; Mechanical 15 "MS2" at 92.052,56.786 h0.6; Mechanical 15 "MS3" at 92.052,54.246 h0.6; Mechanical 15 "RST" at 92.052,51.706 h0.6; Mechanical 15 "SLP" at 92.052,49.166 h0.6; Mechanical 15 "STEP" at 92.052,46.626 h0.6; Mechanical 15 "DIR" at 92.052,44.086 h0.6
E1: Mechanical 15 "Vmot" at 114.329,61.956 h0.6; Mechanical 15 "GND" at 114.729,59.388 h0.6; Mechanical 15 "2B" at 115.329,56.82 h0.6; Mechanical 15 "2A" at 115.329,54.253 h0.6; Mechanical 15 "1A" at 115.429,51.685 h0.6; Mechanical 15 "1B" at 115.429,49.117 h0.6; Mechanical 15 "VDD" at 114.729,46.549 h0.6; Mechanical 15 "GND" at 114.729,43.981 h0.6; Mechanical 15 "EN" at 107.31,61.866 h0.6; Mechanical 15 "MS1" at 107.31,59.326 h0.6; Mechanical 15 "MS2" at 107.31,56.786 h0.6; Mechanical 15 "MS3" at 107.31,54.246 h0.6; Mechanical 15 "RST" at 107.31,51.706 h0.6; Mechanical 15 "SLP" at 107.31,49.166 h0.6; Mechanical 15 "STEP" at 107.31,46.626 h0.6; Mechanical 15 "DIR" at 107.31,44.086 h0.6
E2: Mechanical 15 "Vmot" at 129.588,61.956 h0.6; Mechanical 15 "GND" at 129.988,59.388 h0.6; Mechanical 15 "2B" at 130.587,56.82 h0.6; Mechanical 15 "2A" at 130.587,54.253 h0.6; Mechanical 15 "1A" at 130.687,51.685 h0.6; Mechanical 15 "1B" at 130.687,49.117 h0.6; Mechanical 15 "VDD" at 129.988,46.549 h0.6; Mechanical 15 "GND" at 129.988,43.981 h0.6; Mechanical 15 "EN" at 122.569,61.866 h0.6; Mechanical 15 "MS1" at 122.569,59.326 h0.6; Mechanical 15 "MS2" at 122.569,56.786 h0.6; Mechanical 15 "MS3" at 122.569,54.246 h0.6; Mechanical 15 "RST" at 122.569,51.706 h0.6; Mechanical 15 "SLP" at 122.569,49.166 h0.6; Mechanical 15 "STEP" at 122.569,46.626 h0.6; Mechanical 15 "DIR" at 122.569,44.086 h0.6
X: Mechanical 15 "Vmot" at 53.296,61.956 h0.6; Mechanical 15 "GND" at 53.696,59.388 h0.6; Mechanical 15 "2B" at 54.296,56.821 h0.6; Mechanical 15 "2A" at 54.296,54.253 h0.6; Mechanical 15 "1A" at 54.396,51.685 h0.6; Mechanical 15 "1B" at 54.396,49.117 h0.6; Mechanical 15 "VDD" at 53.696,46.549 h0.6; Mechanical 15 "GND" at 53.696,43.981 h0.6; Mechanical 15 "EN" at 46.277,61.866 h0.6; Mechanical 15 "MS1" at 46.277,59.326 h0.6; Mechanical 15 "MS2" at 46.277,56.786 h0.6; Mechanical 15 "MS3" at 46.277,54.246 h0.6; Mechanical 15 "RST" at 46.277,51.706 h0.6; Mechanical 15 "SLP" at 46.277,49.166 h0.6; Mechanical 15 "STEP" at 46.277,46.626 h0.6; Mechanical 15 "DIR" at 46.277,44.086 h0.6
Y: Mechanical 15 "Vmot" at 68.554,61.956 h0.6; Mechanical 15 "GND" at 68.954,59.388 h0.6; Mechanical 15 "2B" at 69.554,56.821 h0.6; Mechanical 15 "2A" at 69.554,54.253 h0.6; Mechanical 15 "1A" at 69.654,51.685 h0.6; Mechanical 15 "1B" at 69.654,49.117 h0.6; Mechanical 15 "VDD" at 68.954,46.549 h0.6; Mechanical 15 "GND" at 68.954,43.981 h0.6; Mechanical 15 "EN" at 61.535,61.866 h0.6; Mechanical 15 "MS1" at 61.535,59.326 h0.6; Mechanical 15 "MS2" at 61.535,56.786 h0.6; Mechanical 15 "MS3" at 61.535,54.246 h0.6; Mechanical 15 "RST" at 61.535,51.706 h0.6; Mechanical 15 "SLP" at 61.535,49.166 h0.6; Mechanical 15 "STEP" at 61.535,46.626 h0.6; Mechanical 15 "DIR" at 61.535,44.086 h0.6
Z: Mechanical 15 "Vmot" at 83.813,61.956 h0.6; Mechanical 15 "GND" at 84.213,59.388 h0.6; Mechanical 15 "2B" at 84.812,56.821 h0.6; Mechanical 15 "2A" at 84.812,54.253 h0.6; Mechanical 15 "1A" at 84.912,51.685 h0.6; Mechanical 15 "1B" at 84.912,49.117 h0.6; Mechanical 15 "VDD" at 84.213,46.549 h0.6; Mechanical 15 "GND" at 84.213,43.981 h0.6; Mechanical 15 "EN" at 76.794,61.866 h0.6; Mechanical 15 "MS1" at 76.794,59.326 h0.6; Mechanical 15 "MS2" at 76.794,56.786 h0.6; Mechanical 15 "MS3" at 76.794,54.246 h0.6; Mechanical 15 "RST" at 76.794,51.706 h0.6; Mechanical 15 "SLP" at 76.794,49.166 h0.6; Mechanical 15 "STEP" at 76.794,46.626 h0.6; Mechanical 15 "DIR" at 76.794,44.086 h0.6